# Altium PCB DL4-1BA.PcbDoc (part 2 of 5)
Units mm, origin at the board's own origin, x right, y up, seen from the top; angles counter-clockwise.
Board outline 200 x 80 mm, 4 copper layers (Top Layer, Mid 1 (GND), Mid 2 (PWR), Bottom Layer), stack 1.586 mm thick; 466 components, 326 nets, 1491 pads, 494 vias.
Unrouted connection lines stored in the file: 2.
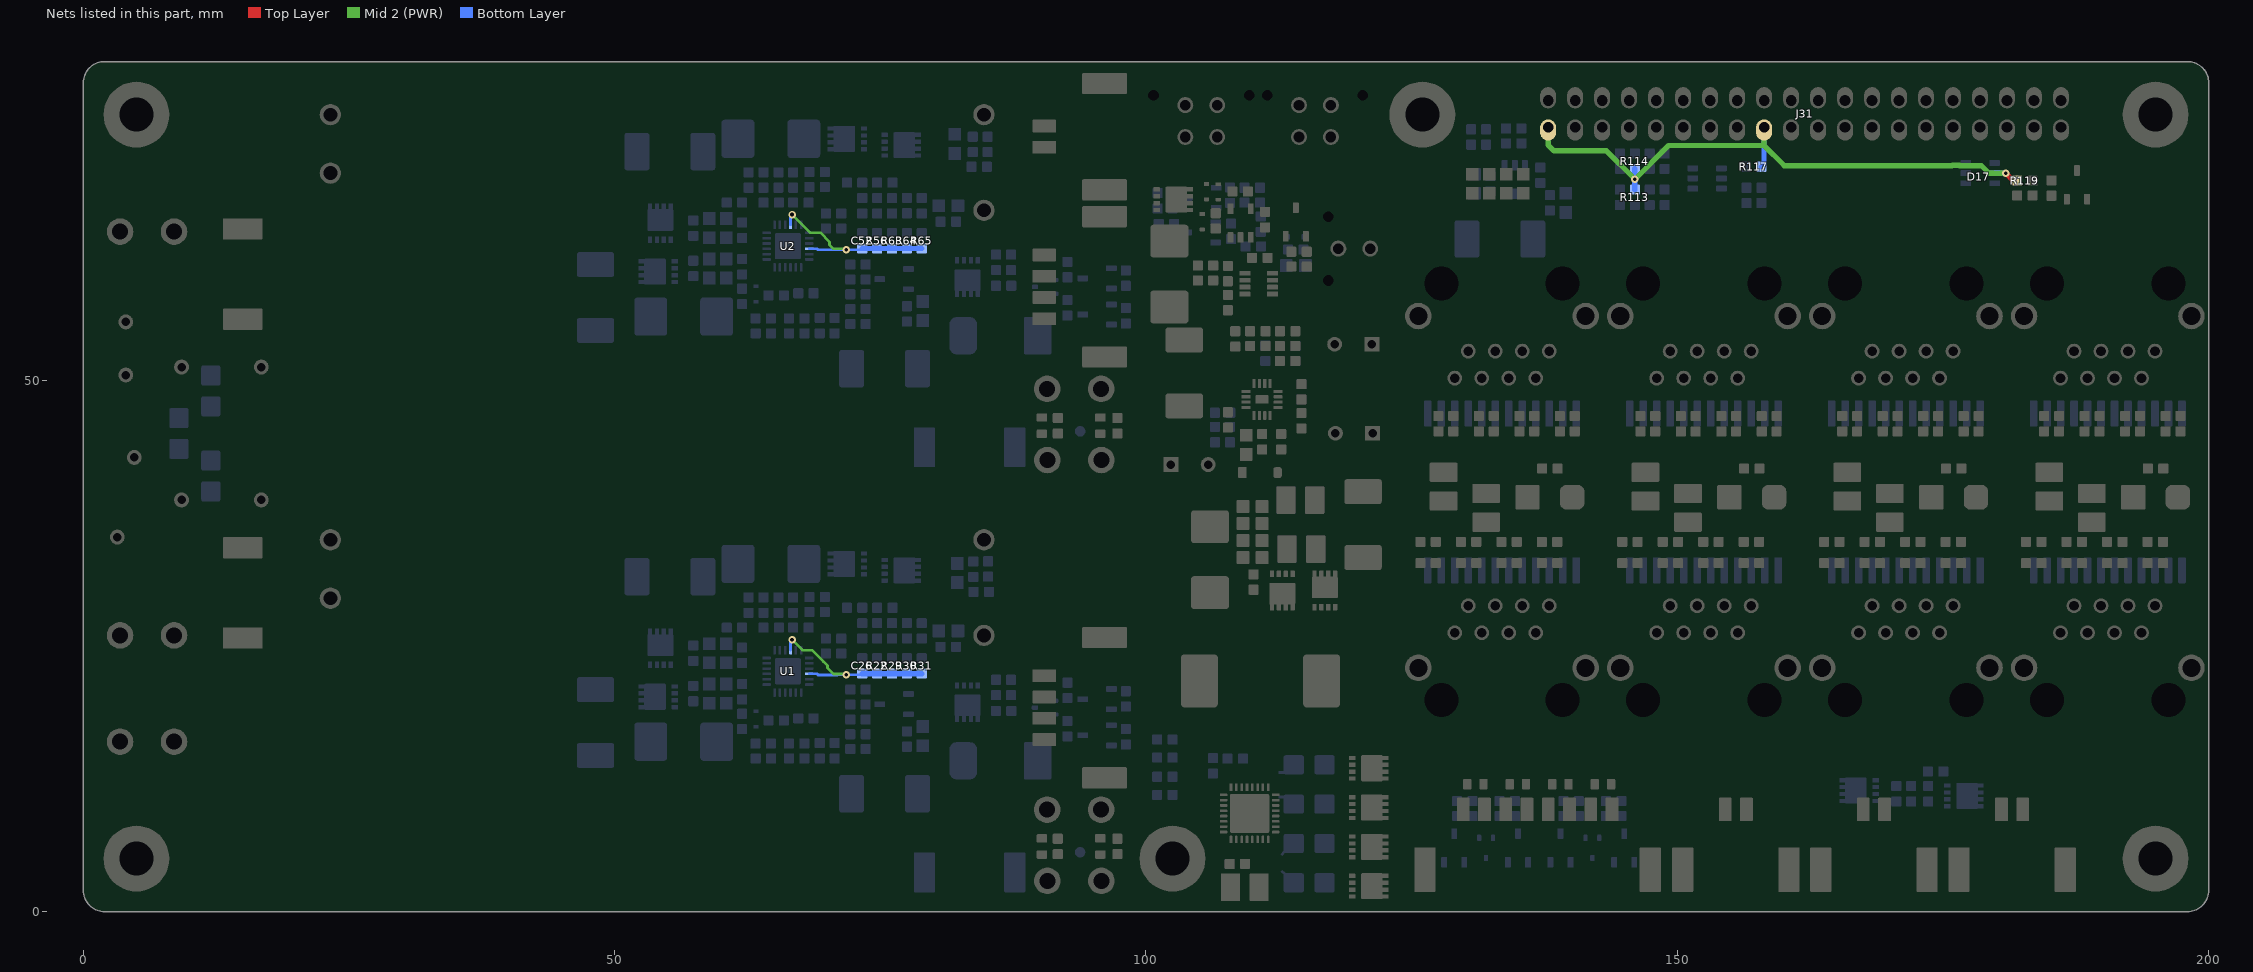
[diagram p4: the nets of this part, all layers, seen from the top]

## Components (designator, comment, footprint, x,y, rotation, side; value= is the part's Value field where it differs from the comment) (continued)
R86 "75R/0603" R0603-0.40-WW 135.135,45.925 r90 top value=75R (schematic designator R506)
R87 "75R/0603" R0603-0.40-WW 131.325,45.925 r90 top value=75R (schematic designator R507)
R88 "75R/0603" R0603-0.40-WW 127.515,45.925 r90 top value=75R (schematic designator R508)
R89 "75R/0603" R0603-0.40-WW 145.54,32.8 r0 top value=75R (schematic designator R501)
R90 "75R/0603" R0603-0.40-WW 149.35,32.8 r0 top value=75R (schematic designator R502)
R91 "75R/0603" R0603-0.40-WW 153.16,32.8 r0 top value=75R (schematic designator R503)
R92 "75R/0603" R0603-0.40-WW 156.97,32.8 r0 top value=75R (schematic designator R504)
R93 "75R/0603" R0603-0.40-WW 157.945,45.925 r90 top value=75R (schematic designator R505)
R94 "75R/0603" R0603-0.40-WW 154.135,45.925 r90 top value=75R (schematic designator R506)
R95 "75R/0603" R0603-0.40-WW 150.325,45.925 r90 top value=75R (schematic designator R507)
R96 "75R/0603" R0603-0.40-WW 146.515,45.925 r90 top value=75R (schematic designator R508)
R97 "75R/0603" R0603-0.40-WW 164.54,32.8 r0 top value=75R (schematic designator R501)
R98 "75R/0603" R0603-0.40-WW 168.35,32.8 r0 top value=75R (schematic designator R502)
R99 "75R/0603" R0603-0.40-WW 172.16,32.8 r0 top value=75R (schematic designator R503)
R100 "75R/0603" R0603-0.40-WW 175.97,32.8 r0 top value=75R (schematic designator R504)
R101 "75R/0603" R0603-0.40-WW 176.945,45.925 r90 top value=75R (schematic designator R505)
R102 "75R/0603" R0603-0.40-WW 173.135,45.925 r90 top value=75R (schematic designator R506)
R103 "75R/0603" R0603-0.40-WW 169.325,45.925 r90 top value=75R (schematic designator R507)
R104 "75R/0603" R0603-0.40-WW 165.515,45.925 r90 top value=75R (schematic designator R508)
R105 "75R/0603" R0603-0.40-WW 183.54,32.8 r0 top value=75R (schematic designator R501)
R106 "75R/0603" R0603-0.40-WW 187.35,32.8 r0 top value=75R (schematic designator R502)
R107 "75R/0603" R0603-0.40-WW 191.16,32.8 r0 top value=75R (schematic designator R503)
R108 "75R/0603" R0603-0.40-WW 194.97,32.8 r0 top value=75R (schematic designator R504)
R109 "75R/0603" R0603-0.40-WW 195.945,45.925 r90 top value=75R (schematic designator R505)
R110 "75R/0603" R0603-0.40-WW 192.135,45.925 r90 top value=75R (schematic designator R506)
R111 "75R/0603" R0603-0.40-WW 188.325,45.925 r90 top value=75R (schematic designator R507)
R112 "75R/0603" R0603-0.40-WW 184.515,45.925 r90 top value=75R (schematic designator R508)
R113 "2K2/0603" R0603-0.40-WW 146,67.225 r90 bottom value=2K2 (schematic designator R600)
R114 "2K2/0603" R0603-0.40-WW 146,70.625 r270 bottom value=2K2 (schematic designator R601)
R115 "33R/0603" R0603-0.40-WW 147.4,67.225 r270 bottom value=33R (schematic designator R602)
R116 "33R/0603" R0603-0.40-WW 147.4,70.625 r90 bottom value=33R (schematic designator R603)
R117 "10K/0603" R0603-0.40-WW 157.2,70.1 r180 bottom value=10K (schematic designator R608)
R118 "33R/0603" R0603-0.40-WW 157.9,67.4 r270 bottom value=33R (schematic designator R604)
R119 "10K/0603" R0603-0.40-WW 182.7,68.8 r0 top value=10K (schematic designator R605)
R120 "22K/0603" R0603-0.40-WW 182.7,67.4 r0 top value=22K (schematic designator R606)
R121 "10K/0603" R0603-0.40-WW 185.2,68.1 r90 top value=10K (schematic designator R607)
R122 "33R/0603" R0603-0.40-WW 172,11.1 r90 bottom value=33R (schematic designator R609)
R123 "33R/0603" R0603-0.40-WW 174.3,13.2 r0 bottom value=33R (schematic designator R610)
R124 "ERZ-V14D391" RESD750W80D155 4,39 r90 top value=391V (schematic designator R100)
R125 "330K/1206" R1206-0.80-WW 12,41 r90 bottom value=330K (schematic designator R104)
R126 "330K/1206" R1206-0.80-WW 9,45 r270 bottom value=330K (schematic designator R105)
R127 "330K/1206" R1206-0.80-WW 12,49 r90 bottom value=330K (schematic designator R106)
R128 "25R/THT/NTC" RESD500W60D115 4,53 r270 top value=25R (schematic designator R101)
R129 "1M/0603" R0603-0.40-WW 83.7,72.2 r90 bottom value=1M (schematic designator R102)
R130 "1M/0603" R0603-0.40-WW 83.747,32.225 r90 bottom value=1M (schematic designator R103)
R131 "0R025/2512" R2512-0.65-WW 102.2,60 r270 top value=0R025 (schematic designator R800)
R132 "100K/0603" R0603-0.40-WW 101.1,66.9 r270 bottom value=100K (schematic designator R801)
R133 "0R/0603" R0603-0.40-WW 105.6,60.8 r0 top value=0R (schematic designator R811)
R134 "0R/0603" R0603-0.40-WW 105.6,59.4 r0 top value=0R (schematic designator R812)
R135 "100K/0603" R0603-0.40-WW 101.925,64.725 r0 bottom value=100K (schematic designator R804)
R136 "100K/0603" R0603-0.40-WW 108.86,67.775 r0 top value=100K (schematic designator R808)
R137 "100K/0603" R0603-0.40-WW 110.8,64.7 r270 bottom value=100K (schematic designator R802)
R138 "4K7/0603" R0603-0.40-WW 106.56,65 r270 top value=4K7 (schematic designator R803)
R139 "100K/0603" R0603-0.40-WW 110.1,62.6 r180 bottom value=100K (schematic designator R805)
R140 "100K/0603" R0603-0.40-WW 111.2,65.125 r90 top value=100K (schematic designator R806)
R141 "10K/0603" R0603-0.40-WW 110.7,61.525 r180 top value=10K (schematic designator R810)
R142 "33K/0603" R0603-0.40-WW 110,66.725 r180 bottom value=33K (schematic designator R809)
R143 "100K/0603" R0603-0.40-WW 110,68.125 r180 bottom value=100K (schematic designator R807)
R144 "100K/0603" R0603-0.40-WW 107.9,67.425 r270 bottom value=100K (schematic designator R813)
R145 "100K/0603" R0603-0.40-WW 106.3,13.725 r270 bottom value=100K (schematic designator R400)
R146 "0R25/1206" R1206-0.80-WW 115.35,13.825 r180 bottom value=0R25 (schematic designator R401)
R147 "1K/0603" R0603-0.40-WW 108.4,14.4 r0 bottom value=1K (schematic designator R402)
R148 "0R25/1206" R1206-0.80-WW 115.35,10.125 r180 bottom value=0R25 (schematic designator R403)
R149 "0R25/1206" R1206-0.80-WW 115.35,6.425 r180 bottom value=0R25 (schematic designator R404)
R150 "10K/0603" R0603-0.40-WW 101.775,16.2 r180 bottom value=10K (schematic designator R411)
R151 "10K/0603" R0603-0.40-WW 101.775,14.5 r180 bottom value=10K (schematic designator R412)
R152 "10K/0603" R0603-0.40-WW 101.775,12.7 r180 bottom value=10K (schematic designator R413)
R153 "10K/0603" R0603-0.40-WW 101.775,11 r180 bottom value=10K (schematic designator R414)
R154 "120K/0603" R0603-0.40-WW 108.6,4.5 r180 bottom value=120K (schematic designator R405)
R155 "0R25/1206" R1206-0.80-WW 115.35,2.725 r180 bottom value=0R25 (schematic designator R406)
R156 "0R/0603" R0603-0.40-WW 144,9 r0 bottom value=0R (schematic designator R415)
R157 "0R/0603" R0603-0.40-WW 140,9 r180 bottom value=0R (schematic designator R416)
R158 "0R/0603" R0603-0.40-WW 134,9 r0 bottom value=0R (schematic designator R417)
R159 "0R/0603" R0603-0.40-WW 130,9 r180 bottom value=0R (schematic designator R418)
R160 "2K2/0603" R0603-0.40-WW 144,10.4 r0 bottom value=2K2 (schematic designator R407)
R161 "2K2/0603" R0603-0.40-WW 140,10.4 r180 bottom value=2K2 (schematic designator R408)
R162 "2K2/0603" R0603-0.40-WW 134,10.4 r0 bottom value=2K2 (schematic designator R409)
R163 "2K2/0603" R0603-0.40-WW 130,10.4 r180 bottom value=2K2 (schematic designator R410)
R164 "160K/0603" R0603-0.40-WW 134.6,72.3 r180 bottom value=160K (schematic designator R700)
R165 "22K/0603" R0603-0.40-WW 130.6,72.9 r270 bottom value=22K (schematic designator R701)
R166 "0R/0603" R0603-0.40-WW 134.6,73.7 r0 bottom value=0R (schematic designator R702)
R814 "1M/0603" R0603-0.40-WW 114.1,62.3 r0 bottom value=1M
R815 "470K/0603" R0603-0.40-WW 114.4,60.7 r0 top value=470K
R816 "100K/0603" R0603-0.40-WW 114.4,62.1 r0 top value=100K
TP1 "TP_SMD_1" TP_SMD_1 93.799,5.6 r90 bottom (schematic designator TP200)
TP2 "TP_SMD_1" TP_SMD_1 93.8,45.2 r90 bottom (schematic designator TP200)
U1 "BQ24610" QFN050P400X400X100-24-TH245X245 66.3,22.627 r270 bottom (schematic designator U200)
U2 "BQ24610" QFN050P400X400X100-24-TH245X245 66.3,62.627 r270 bottom (schematic designator U200)
U3 "TPS43060RTE" QFN050P300X300X080-16-TH120X80 110.925,48.2 r270 top (schematic designator U300)
U4 "IRM30-15" IRM30 54,60 r0 top locked (schematic designator U100)
U5 "IRM30-15" IRM30 54,20 r0 top locked (schematic designator U101)
U6 "TA75S393F,LF" SOT2395P280X125-5-SW 108.9,64.8 r0 top (schematic designator U800)
U7 "INA232BIDDFR" SOT065P280X110-8-SE 110.6,59.1 r180 top (schematic designator U801)
U8 "MP3924" QFN050P500X500X100-32-TH360X360 109.75,9.25 r270 top (schematic designator U400)
U9 "LMR51420YF" SOT2395P280X125-6-NW 134.7,68.9 r90 bottom (schematic designator U700)
? "Comment" PCB-NAME 2,10 r0 top
? "Comment" JLC-ORDER 24,1 r0 top
? "Comment" PCB-NAME 42,2 r180 bottom
? "Comment" FSCH-LOGO-20mm 44,5 r180 bottom

## Footprints (in the part's own frame and the unit in brackets; to place one, negate y for a bottom-side part, rotate by r counter-clockwise, add the part's x,y. Pads: shape width x height; smd on the part's side, far side on the other; paste and mask are expansions set on the pad)
430450212 [mm]
  round 1.5 hole 1: 1(0,-1.5) 2(0,1.5)
  round 0 hole 1: 5(-3,2.44) 5(3,2.44)
  body extent -3.57,-3.94 3.57,4.83, height 9.92
430450412 [mm]
  round 1.5 hole 1: 1(1.5,-1.5) 2(-1.5,-1.5) 3(1.5,1.5) 4(-1.5,1.5)
  round 0 hole 1: 5(-4.5,2.44) 5(4.5,2.44)
  body extent -5.07,-3.94 5.07,4.83, height 9.92
5600200220 [mm]
  rrect10% 1.2x2.2 smd: 1(1,4.07) 2(-1,4.07)
  round 1 on Top Overlay: 1(2.9,5.3)
  rrect10% 2x4.2 smd: ""(-5,-1.6) ""(5,-1.6)
  body extent -5.45,-4.66 5.45,4.49, height 8.01
5600200420 [mm]
  rrect10% 1.2x2.2 smd: 1(3,4.07) 2(1,4.07) 3(-1,4.07) 4(-3,4.07)
  round 1 on Top Overlay: 1(4.6,5.3)
  rrect10% 2x4.2 smd: ""(-6.6,-1.6) ""(6.6,-1.6)
  body extent -7.3,-4.66 7.3,4.49, height 8.01
5600200820 [mm]
  rrect10% 1.2x2.2 smd: 1(7,4.07) 2(5,4.07) 3(3,4.07) 4(1,4.07) 5(-1,4.07) 6(-3,4.07) 7(-5,4.07) 8(-7,4.07)
  round 1 on Top Overlay: 1(8.6,5.3)
  rrect10% 2x4.2 smd: ""(-10.6,-1.6) ""(10.6,-1.6)
  body extent -11.3,-4.66 11.3,4.49, height 8.01
CAP350P80X130 [mm]
  rect 1.4x1.4 hole 0.8: 1(-1.75,0)
  round 1.4 hole 0.8: 2(1.75,0)
  silkscreen extent -4,-4 4,4, body extent -4,-4 4,4, height 13
CAP0603_C0G [mm]
  rrect20% 0.95x0.95 smd: 1(-0.725,0) 2(0.725,0)
  silkscreen extent -0.3,-0.7 0.3,0.7, body extent -0.8,-0.41 0.8,0.41, height 0.57
CAP0603_X7R [mm]
  rrect20% 0.95x0.95 smd: 1(-0.725,0) 2(0.725,0)
  silkscreen extent -0.3,-0.7 0.3,0.7, body extent -0.8,-0.41 0.8,0.41, height 0.57
CAP0805_X7R [mm] "Chip Capacitor 0805mil / 2012mm"
  rrect10% 1.2x1.2 smd: 1(-0.9,0) 2(0.9,0)
  silkscreen extent -0.5,-0.8 0.5,0.8, body extent -1,-0.51 1,0.51, height 0.72
CAP1210_X7R [mm] "Chip Capacitor 1210mil / 3225mm"
  rrect10% 1.8x2.6 smd: 1(-1.35,0) 2(1.35,0)
  silkscreen extent -0.5,-1.5 0.5,1.5, body extent -1.6,-1.25 1.6,1.25, height 1.91
DFKH-CASE-50-2 [mm] "Pin Order different than in datasheet to match Schematic symbol"
  round 1.4 hole 0.8: 1(-3.75,6.25) 2(-3.75,-6.25) 3(3.75,6.25) 4(3.75,-6.25)
  body extent -5,-7.25 5,7.25, height 13.01
DIOM5436X265 [mm] "DO-214AA"
  rrect50% 2.3x2.3 smd: 1(-2.1,0)
  rrect10% 2.3x2.3 smd: 2(2.1,0)
  silkscreen extent -3.5,-1.2 -3.5,1.2, body extent -2.7,-1.8 2.7,1.8, height 2.65
DIOM7959X265 [mm] "DO-214AB"
  rrect50% 2.6x3.5 smd: 1(-3.5,0)
  rrect10% 2.6x3.5 smd: 2(3.5,0)
  silkscreen extent -5.2,-1.7 -5.2,1.7, body extent -3.95,-2.95 3.95,2.95, height 2.3
ETH_615008160421 [mm]
  round 1 on Top Overlay: 1(-6,9)
  round 1.4 hole 0.9: 1(-4.445,4.25) 2(-3.175,6.79) 3(-1.905,4.25) 4(-0.635,6.79) 5(0.635,4.25) 6(1.905,6.79) 7(3.175,4.25) 8(4.445,6.79)
  round 2.5 hole 1.7: 9(-7.875,0.95) 9(7.875,0.95)
  round 0 hole 3.2: ""(-5.715,-2.1) ""(5.715,-2.1)
  body extent -8,-8.25 8,8.25, height 16.4
FB0603 [mm]
  rrect20% 0.95x0.95 smd: 1(-0.725,0) 2(0.725,0)
  silkscreen extent -0.3,-0.7 0.3,0.7, body extent -0.8,-0.4 0.8,0.4, height 1
FSCH-LOGO-20mm [mm]
  silkscreen extent 0,0 31.48,20.02, body extent 0,0 31.48,20.02, height 0.01
HEAD_254_2X20_Tray [mm] "Header 2.54mm 2x20"
  oval 2x1.5 hole 1 copper offset -0.25,0: 1(0,0) 3(0,-2.54) 5(0,-5.08) 7(0,-7.62) 9(0,-10.16) 11(0,-12.7) 13(0,-15.24) 15(0,-17.78) 17(0,-20.32) 19(0,-22.86) 21(0,-25.4) 23(0,-27.94) 25(0,-30.48) 27(0,-33.02) 29(0,-35.56) 31(0,-38.1) 33(0,-40.64) 35(0,-43.18) 37(0,-45.72) 39(0,-48.26)
  oval 2x1.5 hole 1 copper offset 0.25,0: 2(2.54,0) 4(2.54,-2.54) 6(2.54,-5.08) 8(2.54,-7.62) 10(2.54,-10.16) 12(2.54,-12.7) 14(2.54,-15.24) 16(2.54,-17.78) 18(2.54,-20.32) 20(2.54,-22.86) 22(2.54,-25.4) 24(2.54,-27.94) 26(2.54,-30.48) 28(2.54,-33.02) 30(2.54,-35.56) 32(2.54,-38.1) 34(2.54,-40.64) 36(2.54,-43.18) 38(2.54,-45.72) 40(2.54,-48.26)
  silkscreen extent -3.18,-53.34 5.72,5.08, body extent -3.16,-53.36 5.7,5.1, height 9.35
IND127P1600X620-24 [mm]
  round 0.4 on Bottom Overlay: 1(-7.8,-6.9)
  rrect25% 0.71x2.45 smd: 1(-6.985,-7.375) 2(-5.715,-7.375) 3(-4.445,-7.375) 4(-3.175,-7.375) 5(-1.905,-7.375) 6(-0.635,-7.375) 7(0.635,-7.375) 8(1.905,-7.375) 9(3.175,-7.375) 10(4.445,-7.375) 11(5.715,-7.375) 12(6.985,-7.375) 13(6.985,7.375) 14(5.715,7.375) 15(4.445,7.375) 16(3.175,7.375) 17(1.905,7.375) 18(0.635,7.375) 19(-0.635,7.375) 20(-1.905,7.375) 21(-3.175,7.375) 22(-4.445,7.375) 23(-5.715,7.375) 24(-6.985,7.375)
  body extent -8.75,-8 8.75,8, height 6.2
INDM126126X47 [mm]
  rrect20% 3.5x5 smd: 1(-5.75,0) 2(5.75,0)
  body extent -6.75,-6.3 6.75,6.3, height 4.7
INDM660730X30 [mm]
  rrect20% 2.35x3.52 smd: 1(-3.1,0) 2(3.1,0)
  body extent -3.7,-3.4 3.7,3.3, height 3
IRM30 [mm]
  round 2 hole 1.3: 1(-30.75,15) 2(-30.75,9.5) 3(30.75,6) 4(30.75,15)
  silkscreen extent -35,-19.5 35,19.5, body extent -34.75,-19.5 34.75,19.5, height 24
JLC-ORDER [mm] "Placement of JLCPCB order number"
LED0603_GREEN [mil]
  rrect20% 31x38 smd: 1(-30,0) 2(30,0)
  silkscreen extent -59,-20 8,20, body extent -31,-16 31,16, height 31
LED0603_RED [mil]
  rrect20% 31x38 smd: 1(-30,0) 2(30,0)
  silkscreen extent -59,-20 8,20, body extent -31,-16 31,16, height 31
MECH_SMTSO3020CTJ [mm] "SMTSO M3x0.5, 2mm Solder Nut"
  round 6.2 / inner round 5.2 / far side round 5.2 hole 3.2: 1(0,0)
  body extent -2.77,-2.78 2.77,2.78, height 2
NETTIE_025x050 [mm]
  rect 0.25x0.25 smd paste-2539.97 mask+0.102: 1(-0.125,0) 2(0.125,0)
PCB-NAME [mm]
QFN050P300X300X080-16-TH120X80 [mm]
  round 0.5 on Top Overlay: 1(-1.75,1.5)
  rrect50% 0.85x0.3 smd mask+0.038: 1(-1.5,0.75) 9(1.5,-0.75) 10(1.5,-0.25) 11(1.5,0.25) 12(1.5,0.75)
  rrect10% 0.85x0.3 smd mask+0.038: 2(-1.5,0.25) 3(-1.5,-0.25) 4(-1.5,-0.75)
  rrect10% 0.3x0.85 smd mask+0.038: 5(-0.75,-1.5) 6(-0.25,-1.5) 7(0.25,-1.5) 8(0.75,-1.5)
  rrect50% 0.3x0.85 smd mask+0.038: 13(0.75,1.5) 14(0.25,1.5) 15(-0.25,1.5) 16(-0.75,1.5)
  rrect10% 0.8x1.2 smd mask+0.038: EP(0,0)
  body extent -1.51,-1.51 1.51,1.51, height 0.81
QFN050P400X400X100-24-TH245X245 [mm]
  rrect50% 0.8x0.25 smd mask+0.038: 1(-2,1.25) 13(2,-1.25) 14(2,-0.75) 15(2,-0.25) 16(2,0.25) 17(2,0.75) 18(2,1.25)
  round 0.5 on Bottom Overlay: 1(-2,2)
  rrect10% 0.8x0.25 smd mask+0.038: 2(-2,0.75) 3(-2,0.25) 4(-2,-0.25) 5(-2,-0.75) 6(-2,-1.25)
  rrect50% 0.25x0.8 smd mask+0.038: 7(-1.25,-2) 8(-0.75,-2) 9(-0.25,-2) 10(0.25,-2) 11(0.75,-2) 12(1.25,-2) 19(1.25,2) 20(0.75,2) 21(0.25,2) 22(-0.25,2) 23(-0.75,2) 24(-1.25,2)
  rrect10% 2.45x2.45 smd mask+0.038: EP(0,0)
  body extent -2.01,-2.01 2.01,2.01, height 0.81
QFN050P500X500X100-32-TH360X360 [mm]
  round 0.5 on Top Overlay: 1(-2.5,2.4)
  rrect50% 0.7x0.25 smd mask+0.038: 1(-2.45,1.75) 17(2.45,-1.75) 18(2.45,-1.25) 19(2.45,-0.75) 20(2.45,-0.25) 21(2.45,0.25) 22(2.45,0.75) 23(2.45,1.25) 24(2.45,1.75)
  rrect10% 0.7x0.25 smd mask+0.038: 2(-2.45,1.25) 3(-2.45,0.75) 4(-2.45,0.25) 5(-2.45,-0.25) 6(-2.45,-0.75) 7(-2.45,-1.25) 8(-2.45,-1.75)
  rrect50% 0.25x0.7 smd mask+0.038: 9(-1.75,-2.45) 10(-1.25,-2.45) 11(-0.75,-2.45) 12(-0.25,-2.45) 13(0.25,-2.45) 14(0.75,-2.45) 15(1.25,-2.45) 16(1.75,-2.45) 25(1.75,2.45) 26(1.25,2.45) 27(0.75,2.45) 28(0.25,2.45) 29(-0.25,2.45) 30(-0.75,2.45) 31(-1.25,2.45) 32(-1.75,2.45)
  rrect10% 3.7x3.7 smd mask+0.038: EP(0,0)
  body extent -2.5,-2.5 2.5,2.5, height 1.01
R0603-0.40-WW [mm]
  rrect20% 0.95x0.95 smd: 1(-0.725,0) 2(0.725,0)
  silkscreen extent -0.3,-0.7 0.3,0.7, body extent -0.8,-0.4 0.8,0.4, height 0.3
R1206-0.80-WW [mm]
  rrect20% 1.9x1.8 smd: 1(-1.45,0) 2(1.45,0)
  silkscreen extent -0.6,-1.1 0.6,1.1, body extent -1.6,-0.8 1.6,0.8, height 0.62
R2512-0.65-WW [mm]
  rrect20% 3.1x3.6 smd: 1(-3.1,0) 2(3.1,0)
  silkscreen extent -2,-2 2,2, body extent -3.2,-1.6 3.2,1.6, height 0.68
RESD500W60D115 [mm]
  round 1.4 hole 0.8: 1(-2.5,0) 2(2.5,0)
  body extent -5.72,-2.5 5.78,2.5, height 16
RESD750W80D155 [mm]
  round 1.4 hole 0.8: 1(-3.75,0.8) 2(3.75,-0.8)
  body extent -7.72,-2.45 7.78,2.45, height 18.5
SOD1608X065 [mm] "SOD523"
  rrect50% 0.35x0.5 smd: 1(-0.725,0)
  rrect10% 0.35x0.5 smd: 2(0.725,0)
  silkscreen extent -1.1,-0.2 -1.1,0.2, body extent -0.8,-0.4 0.8,0.4, height 0.65
SOD3718X125 [mm] "SOD-123"
  rrect50% 0.8x1 smd: 1(-1.65,0)
  rrect10% 0.8x1 smd: 2(1.65,0)
  silkscreen extent -2.3,-0.5 -2.3,0.5, body extent -1.85,-0.8 1.85,0.8, height 1.25
Solder_Jumper_2pin_0.2mm_small [mil] "Solder jumper with two pins with a spacing of 0.2mm"
  round 1 smd paste-99999: 1(-15.75,0) 2(15.75,0)
  Top Layer region: 3.94,-23.62 12.98,-21.82 20.64,-16.7 25.76,-9.04 27.56,0 27.56,0 25.76,9.04 20.64,16.7 12.98,21.82 3.94,23.62 3.94,23.62
  Top Layer region: -3.94,23.62 -12.98,21.82 -20.64,16.7 -25.76,9.04 -27.56,0 -27.56,0 -25.76,-9.04 -20.64,-16.7 -12.98,-21.82 -3.94,-23.62 -3.94,-23.62
SON065P330X330X075-5-TH245X175#1 [mm]
  round 0.5 on Bottom Overlay: 1(-1.6,-1.6)
  rrect10% 0.4x0.6 smd: D(-0.975,1.625) D(-0.325,1.625) D(0.325,1.625) D(0.975,1.625) G(0.975,-1.5) S(-0.975,-1.5) S(-0.325,-1.5) S(0.325,-1.5)
  rrect10% 2.45x2.03 smd: D(0,0.36)
  body extent -1.65,-1.65 1.65,1.65, height 0.75
SON065P330X330X075-5-TH245X175#2 [mm]
  round 0.5 on Top Overlay: 1(-1.6,-1.6)
  rrect10% 0.4x0.6 smd: D(-0.975,1.625) D(-0.325,1.625) D(0.325,1.625) D(0.975,1.625) G(0.975,-1.5) S(-0.975,-1.5) S(-0.325,-1.5) S(0.325,-1.5)
  rrect10% 2.45x2.03 smd: D(0,0.36)
  body extent -1.65,-1.65 1.65,1.65, height 0.75
SOT65P210X95-3-SE [mm] "SOT-323"
  round 0.2 on Bottom Overlay: 1(0.9,-1.2)
  rrect50% 0.6x0.4 smd: 1(0.95,-0.65) 2(0.95,0.65) 3(-0.95,0)
  body extent -1.1,-1.1 1.1,1.1, height 1.11
SOT065P280X110-8-SE [mm] "SOT23-8"
  round 0.2 on Top Overlay: 1(1.225,-1.5)
  rrect25% 1.05x0.45 smd: 1(1.3,-0.975) 2(1.3,-0.325) 3(1.3,0.325) 4(1.3,0.975) 5(-1.3,0.975) 6(-1.3,0.325) 7(-1.3,-0.325) 8(-1.3,-0.975)
  body extent -1.4,-1.45 1.4,1.45, height 1.26
SOT2395P280X125-3-SE#1 [mm] "SOT23-3, SC74"
  rrect25% 1x0.55 smd: 1(1.35,-0.95) 2(1.35,0.95) 3(-1.35,0)
  round 0.4 on Bottom Overlay: 1(1.6,-1.6)
  body extent -1.4,-1.45 1.4,1.45, height 1.26
SOT2395P280X125-3-SE#2 [mm] "SOT23-3, SC74"
  rrect25% 1x0.55 smd: 1(1.35,-0.95) 2(1.35,0.95) 3(-1.35,0)
  round 0.4 on Top Overlay: 1(1.6,-1.6)
  body extent -1.4,-1.45 1.4,1.45, height 1.26
SOT2395P280X125-5-SW [mm] "SOT23-5"
  round 0.4 on Top Overlay: 1(-1.6,-1.6)
  rrect25% 0.55x1 smd: 1(-0.95,-1.35) 2(0,-1.35) 3(0.95,-1.35) 4(0.95,1.35) 5(-0.95,1.35)
  body extent -1.45,-1.4 1.45,1.4, height 1.26
SOT2395P280X125-6-NW [mm] "SOT23-6"
  round 0.4 on Bottom Overlay: 1(-1.6,1.6)
  rrect25% 1x0.55 smd: 1(-1.35,0.95) 2(-1.35,0) 3(-1.35,-0.95) 4(1.35,-0.95) 5(1.35,0.01) 6(1.35,0.95)
  body extent -1.4,-1.45 1.4,1.45, height 1.26
Tab_THT_635 [mm]
  round 2.5 hole 1.5: 1(-2.54,0) 1(2.54,0)
  body extent -3.96,-1.54 3.96,1.54, height 10.21
TP_SMD_1 [mm] "Testpoint SMD 1mm"
  round 1 smd: 1(0,0)
  silkscreen extent -0.8,-0.8 0.8,0.8
UMT250 [mm]
  rrect10% 2x3.75 smd: 1(-4.25,0) 2(4.25,0)
  body extent -5.45,-1.5 5.45,1.5, height 3.01

## Part data
C1 C5 C6 C17 C27 C31 C32 C43 C54 C55 C56 C57 C68 C123 C125 C135 C136 C137: "CAP SM 0805 10uF 50V X5R", Absolute Value=1E-5, JLC Type=Basic, Manufacturer=GENERIC, Manufacturer 1="Murata Electronics", Manufacturer Part Number 1=GRM21BR61H106KE43K, Manufacturer Part Number 3=GRM21BR61H106KE43L, Package=0805, Supplier Part Number 1=490-GRM21BR61H106KE43KCT-ND, Eurocircuits GPN=GPN0805106-50-X5R, HelpURL=https://search.murata.co.jp/Ceramy/image/img/A01X/G101/ENG/GRM21BR61H106KE43-01A.pdf, Part Number=10U/0805/50V/X5R, Supplier 1=Digi-Key, Supplier 3=LCSC, Supplier Part Number 3=C440198
C2 C3 C4 C7 C8 C9 C10 C16 C18 C19 C21 C23 C24 C28 C29 C30 C33 C34 C35 C36 C42 C44 C45 C47 C49 C50 C53 C59 C71 C124 C126 C127 C129 C134: "CAP SM 0603 100nF 50V X7R", Absolute Value=1E-7, JLC Type=Basic, Manufacturer=GENERIC, Manufacturer 1=YAGEO, Manufacturer Part Number 1=CC0603KPX7R9BB104, Manufacturer Part Number 2=CC0603MRX7R9BB104, Package=0603, Supplier Part Number 1=311-3567-1-ND, Eurocircuits GPN=GPC0603104, HelpURL=https://www.yageo.com/upload/media/product/app/datasheet/mlcc/upy-gphc_x7r_6_3v-to-250v.pdf, Manufacturer 2=YAGEO, Part Number=100N/0603/50V/X7R, Supplier 1=Digi-Key, Supplier 2=Digi-Key, Supplier 3=LCSC, Supplier Part Number 2=311-4110-1-ND, Supplier Part Number 3=C14663
C11 C12 C20 C26 C37 C38 C46 C52 C130 C133 C138 C139: "CAP SM 0603 1.0uF 50V X7R", Absolute Value=1E-6, Manufacturer=GENERIC, Manufacturer 1=YAGEO, Manufacturer Part Number 1=CC0603KRX7R9BB105, Package=0603, Supplier Part Number 1=311-2082-1-ND, Eurocircuits GPN=GPC0603105, HelpURL=https://www.yageo.com/upload/media/product/app/datasheet/mlcc/upy-gphc_x7r_6_3v-to-250v.pdf, Part Number=1.0U/0603/50V/X7R, Supplier 1=Digi-Key
C13 C25 C39 C51 C116 C117 C118 C119 C120 C121 C122 C128 C143: "CAP SM 0603 10pF 50V C0G", Absolute Value=1E-11, Manufacturer=GENERIC, Manufacturer 1=YAGEO, Manufacturer Part Number 1=CC0603JRNPO9BN100, Manufacturer Part Number 2=CC0603KRNPO9BN100, Package=0603, Supplier Part Number 1=311-1058-1-ND, Eurocircuits GPN=GPC0603100-C0G, HelpURL=https://www.yageo.com/upload/media/product/productsearch/datasheet/mlcc/UPY-GP_NP0_16V-to-50V_18.pdf, Manufacturer 2=YAGEO, Part Number=10P/0603/50V/C0G, Supplier 1=Digi-Key, Supplier 2=Digi-Key, Supplier Part Number 2=311-4025-1-ND
C14 C15 C40 C41 C140 C141 C142 C804: "CAP SM 0805 22uF 25V X5R", Absolute Value=2.2E-5, JLC Type=Basic, Manufacturer=GENERIC, Manufacturer 1="Samsung Electro-Mechanics", Manufacturer Part Number 1=CL21A226MAYNNNE, Manufacturer Part Number 3=CL21A226MAQNNNE, Package=0805, Supplier Part Number 1=1276-CL21A226MAYNNNECT-ND, Eurocircuits GPN=GPN0805106-25, HelpURL=https://mm.digikey.com/Volume0/opasdata/d220001/medias/docus/339/CL21A226MAYNNNE_Spec.pdf, Part Number=22U/0805/25V/X5R, Supplier 1=Digi-Key, Supplier 3=LCSC, Supplier Part Number 3=C45783
C22 C48 C67 C70: "CAP SM 0603 10nF 50V C0G", Absolute Value=1E-8, Manufacturer=GENERIC, Manufacturer 1=YAGEO, Manufacturer Part Number 1=CC0603JRNPO9BN103, Package=0603, Supplier Part Number 1=311-3960-1-ND, Eurocircuits GPN=GPC0603103-C0G, HelpURL=https://www.yageo.com/upload/media/product/productsearch/datasheet/mlcc/UPY-GP_NP0_16V-to-50V_18.pdf, Part Number=10N/0603/50V/C0G, Supplier 1=Digi-Key
C58 C64 C131: "CAP THT 8C130 68UF ELKO 63V", Absolute Value=6.8E-5, Manufacturer=GENERIC, Manufacturer 1="Würth Elektronik", Manufacturer Part Number 1=860020774014, Manufacturer Part Number 3=LKMD0901K680MF, Package=RADIAL, Supplier Part Number 1=732-8975-1-ND, HelpURL=https://www.we-online.com/components/products/datasheet/860020774014.pdf, Part Number=68U/RADIAL/63V, Supplier 1=Digi-Key, Supplier 3=LCSC, Supplier Part Number 3=C443065
C60 C61 C62 C63: "CAP SM 1210 10uF 63V X7R", Absolute Value=1E-5, Manufacturer=GENERIC, Manufacturer 1="Samsung Electro-Mechanics", Manufacturer Part Number 1=CL32B106KMVNNWE, Manufacturer Part Number 3=CGA1210X7R106K630RT, Package=1210, Supplier Part Number 1=1276-7053-1-ND, HelpURL=https://mm.digikey.com/Volume0/opasdata/d220001/medias/docus/2124/CL32B106KMVNNWE_Spec.pdf, Part Number=10U/1210/63V/X7R, Supplier 1=Digi-Key, Supplier 3=LCSC, Supplier Part Number 3=C6120029
C65 C69: "CAP SM 0603 100pF 50V C0G", Absolute Value=1E-10, Manufacturer=GENERIC, Manufacturer 1=YAGEO, Manufacturer Part Number 1=CC0603JRNPO9BN101, Manufacturer Part Number 2=CC0603KRNPO9BN101, Package=0603, Supplier Part Number 1=311-1069-1-ND, Eurocircuits GPN=GPC0603101-C0G, HelpURL=https://www.yageo.com/upload/media/product/productsearch/datasheet/mlcc/UPY-GP_NP0_16V-to-50V_18.pdf, Manufacturer 2=YAGEO, Part Number=100P/0603/50V/C0G, Supplier 1=Digi-Key, Supplier 2=Digi-Key, Supplier Part Number 2=311-3600-1-ND
C66 C72 C83 C94 C105: "CAP SM 0603 100nF 100V X7R", Absolute Value=2.2E-8, Manufacturer=GENERIC, Manufacturer 1="Samsung Electro-Mechanics", Manufacturer Part Number 1=CL10B104KC8NNNC, Manufacturer Part Number 3=CGA0603X7R104K101JT, Package=0603, Supplier Part Number 1=1276-6807-1-ND, Eurocircuits GPN=GPC0603104-100, HelpURL=https://mm.digikey.com/Volume0/opasdata/d220001/medias/docus/1296/CL10B104KC8NNNC_Spec.pdf, Part Number=100N/0603/100V/X7R, Supplier 1=Digi-Key, Supplier 3=LCSC, Supplier Part Number 3=C6119850
C73 C74 C75 C76 C77 C78 C79 C80 C84 C85 C86 C87 C88 C89 C90 C91 C95 C96 C97 C98 C99 C100 C101 C102 C106 C107 C108 C109 C110 C111 C112 C113: "CAP SM 0603 22nF 100V X7R", Absolute Value=2.2E-8, Manufacturer=GENERIC, Manufacturer 1=KEMET, Manufacturer Part Number 1=C0603C223K1RAC7867, Manufacturer Part Number 3=0603B223K101CT, Package=0603, Supplier Part Number 1=399-C0603C223K1RAC7867CT-ND, Eurocircuits GPN=GPC0603223-100, HelpURL=https://connect.kemet.com:7667/gateway/IntelliData-ComponentDocumentation/1.0/download/datasheet/C0603C223K1RACTU, Part Number=22N/0603/100V/X7R, Supplier 1=Digi-Key, Supplier 3=LCSC, Supplier Part Number 3=C388010
C81 C82 C92 C93 C103 C104 C114 C115: "CAP SM 1210 1nF 2kV", Absolute Value=1E-9, Manufacturer=GENERIC, Manufacturer 1="Holy Stone Enterprise Co., Ltd.", Manufacturer Part Number 1=C1210X102K202T, Manufacturer Part Number 3=1210B102K202NT, Package=1210, Supplier Part Number 1=4587-C1210X102K202TCT-ND, HelpURL=https://www.holystone.com.tw/downloads/series/10000/1000/45/20220530174254_file1.pdf, Part Number=1N/1210/2kV, Supplier 1=Digi-Key, Supplier 3=LCSC, Supplier Part Number 3=C2836780
C132: "CAP SM 1210 4.7uF 100V X7S", Absolute Value=4.7E-6, Manufacturer=GENERIC, Manufacturer 1=Murata, Manufacturer Part Number 1=GRM31CC72A475ME11L, Manufacturer Part Number 3=CGA1210X7S475K101RT, Package=1210, Supplier Part Number 1=490-18621-1-ND, Eurocircuits GPN=GPN1210475-100, HelpURL=https://search.murata.co.jp/Ceramy/image/img/A01X/G101/ENG/GRM31CC72A475ME11-01A.pdf, Part Number=4.7U/1210/100V/X7S, Supplier 1=Digi-Key, Supplier 3=LCSC, Supplier Part Number 3=C6120041
D1 D6 D18 D19 D803: "Small Signal Schottky Diode", Absolute Value=70V, JLC Type=Extended, Manufacturer=Vishay, Manufacturer 1="Vishay General Semiconductor - Diodes Division", Manufacturer 3="Vishay Intertech", Package=SOD523, Supplier Part Number 1=112-BAS70-02V-G3-08CT-ND, HelpURL=https://www.vishay.com/docs/85652/bas70-02v.pdf, Manufacturer Part Number 1=BAS70-02V-G3-08, Manufacturer Part Number 3=BAS70-02V-G3-08, Part Number=BAS70-02V-G3-08, Supplier 1=Digikey, Supplier 3=LCSC, Supplier Part Number 3=C3313114
D2 D7: "TVS DIODE 15VWM 24.4V DO214 TR13", Absolute Value=15V, Manufacturer="Littelfuse Inc.", Manufacturer Part Number 1=5.0SMDJ15CAS, Package="DO-214AB, SMC", Supplier Part Number 1=18-5.0SMDJ15CASCT-ND, HelpURL=https://m.littelfuse.com/~/media/electronics/datasheets/tvs_diodes/littelfuse_tvs_diode_5_0smdjxxs_datasheet.pdf.pdf, Manufacturer 1="Littelfuse Inc.", Manufacturer 2="Littelfuse Inc.", Manufacturer Part Number 2=5.0SMDJ15CA, Part Number=5.0SMDJ15CA, Supplier 1=Digikey, Supplier 2=Digikey, Supplier Part Number 2=5.0SMDJ15CACT-ND
D3 D8 D23 D24 D25 D26: library part "LED Green 0603", "Generic LED Green 0603", Absolute Value=Green, JLC Type=Basic, Manufacturer=GENERIC, Manufacturer 1=Würth, Manufacturer 3="Everlight Elec", Manufacturer Part Number 1=150060VS75000, Manufacturer Part Number 3=19-217/GHC-YR1S2/3T, Package=603, Supplier Part Number 1=732-4980-1-ND, HelpURL=https://www.we-online.com/katalog/datasheet/150060VS75000.pdf, Part Number="LED Green 0603", Supplier 1=Digikey, Supplier 3=LCSC, Supplier Part Number 3=C72043
D4 D9: library part "LED Red 0603", "Generic LED Red 0603", Absolute Value=Red, JLC Type=Basic, Manufacturer=GENERIC, Manufacturer 1=Würth, Manufacturer 3="Hubei KENTO Elec", Manufacturer Part Number 1=150060RS75000, Manufacturer Part Number 3=KT-0603R, Package=603, Supplier Part Number 1=732-4978-1-ND, HelpURL=https://www.we-online.com/katalog/datasheet/150060RS75000.pdf, Part Number="LED Red 0603", Supplier 1=Digikey, Supplier 3=LCSC, Supplier Part Number 3=C2286
D5 D10 D21 D22: "CAN bus ESD protection diode", Absolute Value=24V, Manufacturer="Nexperia USA Inc.", Manufacturer 3=Nexperia, Package=SOT323, Supplier Part Number 1=1727-1306-1-ND, HelpURL=https://assets.nexperia.com/documents/data-sheet/PESD1CAN-U.pdf, Manufacturer 1="Nexperia USA Inc.", Manufacturer Part Number 1=PESD1CAN-UX, Manufacturer Part Number 3=PESD1CAN-UX, Part Number=PESD1CAN-UX, Supplier 1=Digikey, Supplier 3=LCSC, Supplier Part Number 3=C152727
D11: "Schottky 100 V 1A Oberflächenmontage SOD-123FL", Absolute Value=100V, Manufacturer="Micro Commercial Co", Package=SOD-123FL, Supplier Part Number 1=SMD110PL-TPMSCT-ND, HelpURL=https://www.mccsemi.com/pdf/Products/SMD110PL-SMD1200PL(SOD-123FL).pdf, Manufacturer 1="Micro Commercial Co", Manufacturer Part Number 1=SMD110PL-TP, Part Number=SMD110PL-TP, Supplier 1=Digikey
D12 D13 D14 D15: "TVS DIODE 58VWM 93.6VC DO214AA", Absolute Value=58V, Manufacturer="Littelfuse Inc.", Package="DO-214AA, SMB", Supplier Part Number 1=SMBJ58ALFCT-ND, HelpURL=https://www.littelfuse.com/media?resourcetype=datasheets&itemid=09a6ae9a-73cb-4ac4-acac-e6dab92ab953&filename=littelfuse_tvs_diode_smbj_datasheet.pdf, Manufacturer 1="Littelfuse Inc.", Manufacturer Part Number 1=SMBJ58A, Part Number=SMBJ58A, Supplier 1=Digikey
D16 D17: "quadruple rail-to-rail ESD protection 5V", Absolute Value=5V, Manufacturer=Nexperia, Manufacturer 1="Nexperia USA Inc.", Manufacturer Part Number 1=PRTR5V0U4D,125, Package="SC74 SOT-457", Supplier Part Number 1=1727-3890-1-ND, HelpURL=https://assets.nexperia.com/documents/data-sheet/PRTR5V0U4D.pdf, Part Number=PRTR5V0U4D, Supplier 1=Digikey
D20: "DIODE ZENER 10V 350MW SOD523", Absolute Value="10 V", Manufacturer="Diodes Incorporated", Manufacturer Part Number 1=BZT585B10T-7, Package="SC-79, SOD-523", Supplier Part Number 1=BZT585B10T-7DICT-ND, HelpURL=https://www.diodes.com/assets/Datasheets/BZT585BxVxT.pdf, Manufacturer 1="Diodes Incorporated", Part Number=BZT585B10T, Supplier 1=Digikey